# Allegro board GPS_INTERFACE_BOARD_v24_test_SFP_.brd (continued)
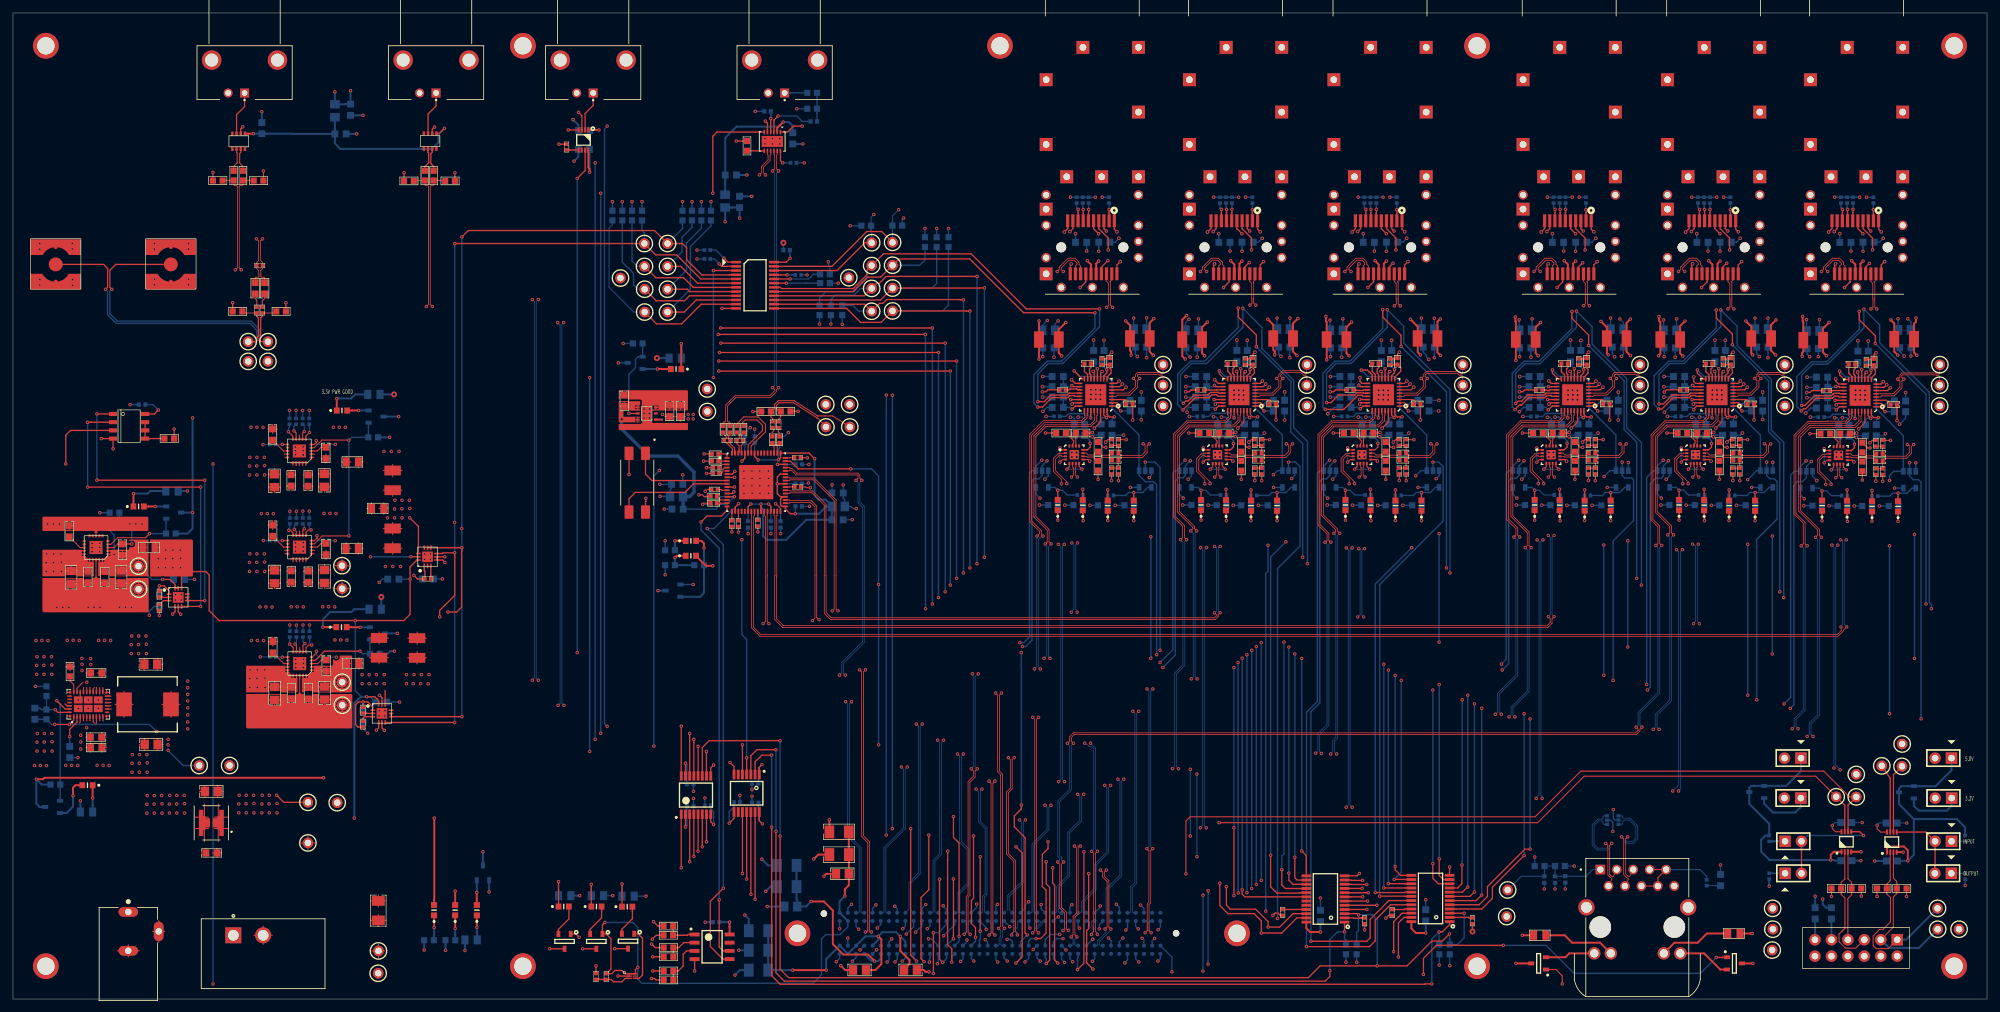
[diagram p0: board, top side]
## Routing (per net, layer and track width the routed paths; a pad name or vN(x,y) marks a point on that pad's centre or on a via; arc(x,y) is an arc through that point) (continued)
  L4 w0.165: J20.S3 248.32,119.58 ; J20.S3 246.5,119.58 ; J20.S3 247.41,120.49 ; J20.S3 247.41,118.67 ; 284.66,109.07 J18.S6 ; J18.S6 283.75,109.98 ; J18.S6 284.66,110.89 ; J18.S6 285.57,109.98 ; TP12.1 33.45,37.1 ; TP12.1 34.46,36.09 ; TP12.1 33.45,35.09 ; TP12.1 32.45,36.09 ; J19.S2 270.62,114.58 ; J19.S2 269.71,113.67 ; J19.S2 268.8,114.58 ; J19.S2 269.71,115.49 ; 254.28,142.08 J19.S17 ; J19.S17 255.46,143.26 ; J19.S17 255.46,140.9 ; J19.S17 256.64,142.08 ; J18.S5 290.37,109.98 ; J18.S5 289.46,109.07 ; J18.S5 288.55,109.98 ; J18.S5 289.46,110.89 ; 70.41,143.42 J5.S2 ; J5.S2 72.09,145.11 ; J5.S2 68.72,145.11 ; J5.S2 70.41,146.8 ; 276.63,114.58 J18.S8 ; J18.S8 278.44,114.58 ; J18.S8 277.53,113.67 ; J18.S8 277.53,115.49 ; TP13.1 51.07,30.35 ; TP13.1 50.06,31.36 ; TP13.1 50.06,29.35 ; TP13.1 49.06,30.35 ; J23.S17 159.52,143.26 ; J23.S17 159.52,140.9 ; J23.S17 160.7,142.08 ; J23.S17 158.35,142.08 ; 35.32,98.55 TP4.1 ; TP4.1 36.32,97.55 ; TP4.1 37.33,98.55 ; TP4.1 36.32,99.56 ; 158.62,119.58 J23.S9 ; J23.S9 160.43,119.58 ; J23.S9 159.52,120.49 ; J23.S9 159.52,118.67 ; J18.S12 291.78,138.26 ; J18.S12 290.6,137.08 ; J18.S12 291.78,135.9 ; J18.S12 292.96,137.08 ; TP72.1 177.57,92.67 ; TP72.1 178.57,91.67 ; TP72.1 177.57,90.67 ; TP72.1 176.57,91.67 ; J23.S15 166.38,147.08 ; J23.S15 164.02,147.08 ; J23.S15 165.2,148.26 ; J23.S15 165.2,145.9 ; J20.S6 241.19,109.98 ; J20.S6 240.28,110.89 ; J20.S6 239.38,109.98 ; J20.S6 240.28,109.07 ; J21.S1 218.2,117.94 ; J21.S1 219.06,117.08 ; J21.S1 218.2,116.22 ; J21.S1 217.34,117.08 ; 290.93,5.69 P1.2 ; P1.2 291.87,6.63 ; P1.2 290.93,7.57 ; P1.2 289.99,6.63 ; 158.35,122.08 J23.S19 ; J23.S19 159.52,123.26 ; J23.S19 159.52,120.9 ; J23.S19 160.7,122.08 ; 173.77,145.9 J23.S13 ; J23.S13 172.6,147.08 ; J23.S13 174.95,147.08 ; J23.S13 173.77,148.26 ; 233.16,118.67 J20.S9 ; J20.S9 234.07,119.58 ; J20.S9 233.16,120.49 ; J20.S9 232.25,119.58 ; J19.S16 258.64,128.26 ; J19.S16 257.46,127.08 ; J19.S16 259.81,127.08 ; J19.S16 258.64,125.9 ; 232.25,114.58 J20.S8 ; J20.S8 234.07,114.58 ; J20.S8 233.16,113.67 ; J20.S8 233.16,115.49 ; J1.2 117.49,140.03 ; J1.2 116.61,140.91 ; J1.2 115.73,140.03 ; J1.2 116.61,139.15 ; 244.18,109.98 J20.S5 ; J20.S5 245.08,109.07 ; J20.S5 245.08,110.89 ; J20.S5 245.99,109.98 ; 166.65,109.07 J23.S6 ; J23.S6 165.74,109.98 ; J23.S6 166.65,110.89 ; J23.S6 167.56,109.98 ; J23.S2 173.77,115.49 ; J23.S2 174.68,114.58 ; J23.S2 173.77,113.67 ; J23.S2 172.87,114.58 ; 231.98,142.08 J20.S17 ; J20.S17 233.16,143.26 ; J20.S17 233.16,140.9 ; J20.S17 234.34,142.08 ; J21.S4 218.2,125.19 ; J21.S4 218.2,123.37 ; J21.S4 219.11,124.28 ; J21.S4 217.29,124.28 ; 215.87,109.07 J21.S5 ; J21.S5 214.97,109.98 ; J21.S5 215.87,110.89 ; J21.S5 216.78,109.98 ; J23.S8 160.43,114.58 ; J23.S8 159.52,113.67 ; J23.S8 158.62,114.58 ; J23.S8 159.52,115.49 ; 217.02,137.08 J21.S12 ; J21.S12 218.2,138.26 ; J21.S12 219.38,137.08 ; J21.S12 218.2,135.9 ; J22.S7 183.97,110.89 ; J22.S7 183.07,109.98 ; J22.S7 183.97,109.07 ; J22.S7 184.88,109.98 ; 290.69,39.42 TP80.1 ; TP80.1 291.69,38.42 ; TP80.1 292.7,39.42 ; TP80.1 291.69,40.42 ; J21.S8 203.95,115.49 ; J21.S8 204.86,114.58 ; J21.S8 203.95,113.67 ; J21.S8 203.04,114.58 ; TP86.1 271.63,8.57 ; TP86.1 271.63,6.57 ; TP86.1 270.62,7.57 ; TP86.1 272.63,7.57 ; 255.59,17.47 J17.P10 ; J17.P10 256.51,16.55 ; J17.P10 257.44,17.47 ; J17.P10 256.51,18.4 ; J6.S1 30.68,146.8 ; J6.S1 30.68,143.42 ; J6.S1 29,145.11 ; J6.S1 32.37,145.11 ; J22.S9 182.56,119.58 ; J22.S9 181.65,118.67 ; J22.S9 180.74,119.58 ; J22.S9 181.65,120.49 ; J22.S10 181.65,125.19 ; J22.S10 181.65,123.37 ; J22.S10 180.74,124.28 ; J22.S10 182.56,124.28 ; J21.S19 203.95,123.26 ; J21.S19 205.13,122.08 ; J21.S19 202.77,122.08 ; J21.S19 203.95,120.9 ; 269.71,135.9 J19.S12 ; J19.S12 269.71,138.26 ; J19.S12 270.89,137.08 ; J19.S12 268.53,137.08 ; J21.S14 213.7,127.08 ; J21.S14 212.52,128.26 ; J21.S14 211.35,127.08 ; J21.S14 212.52,125.9 ; 237.66,147.08 J20.S15 ; J20.S15 238.83,145.9 ; J20.S15 238.83,148.26 ; J20.S15 240.01,147.08 ; TP21.1 129.06,112.48 ; TP21.1 128.05,111.48 ; TP21.1 129.06,110.48 ; TP21.1 130.06,111.48 ; 232.25,124.28 J20.S10 ; J20.S10 233.16,123.37 ; J20.S10 234.07,124.28 ; J20.S10 233.16,125.19 ; 159.52,123.37 J23.S10 ; J23.S10 159.52,125.19 ; J23.S10 158.62,124.28 ; J23.S10 160.43,124.28 ; J1.S2 125.92,145.11 ; J1.S2 122.55,145.11 ; J1.S2 124.23,143.42 ; J1.S2 124.23,146.8 ; 82.82,145.11 J4.S1 ; J4.S1 86.19,145.11 ; J4.S1 84.51,143.42 ; J4.S1 84.51,146.8 ; 208.45,147.08 J21.S15 ; J21.S15 210.8,147.08 ; J21.S15 209.62,145.9 ; J21.S15 209.62,148.26 ; 173.77,118.67 J23.S3 ; J23.S3 174.68,119.58 ; J23.S3 173.77,120.49 ; J23.S3 172.87,119.58 ; 254.28,112.08 J19.S20 ; J19.S20 255.46,110.9 ; J19.S20 255.46,113.26 ; J19.S20 256.64,112.08 ; 194.72,147.08 J22.S13 ; J22.S13 195.9,145.9 ; J22.S13 195.9,148.26 ; J22.S13 197.08,147.08 ; J22.S15 188.5,147.08 ; J22.S15 187.32,148.26 ; J22.S15 187.32,145.9 ; J22.S15 186.14,147.08 ; 173.77,125.9 J23.S11 ; J23.S11 174.95,127.08 ; J23.S11 173.77,128.26 ; J23.S11 172.6,127.08 ; 234.58,109.98 J20.S7 ; J20.S7 236.39,109.98 ; J20.S7 235.48,109.07 ; J20.S7 235.48,110.89 ; J19.S13 269.71,148.26 ; J19.S13 270.89,147.08 ; J19.S13 269.71,145.9 ; J19.S13 268.53,147.08 ; J19.S5 267.39,110.89 ; J19.S5 268.29,109.98 ; J19.S5 266.48,109.98 ; J19.S5 267.39,109.07 ; J19.S14 265.21,127.08 ; J19.S14 264.04,125.9 ; J19.S14 262.86,127.08 ; J19.S14 264.04,128.26 ; J17.S2 258.65,15.61 ; J17.S2 260.09,14.17 ; J17.S2 257.22,14.17 ; J17.S2 258.65,12.74 ; 255.46,123.37 J19.S10 ; J19.S10 255.46,125.19 ; J19.S10 254.55,124.28 ; J19.S10 256.37,124.28 ; J18.S4 291.78,125.19 ; J18.S4 291.78,123.37 ; J18.S4 290.88,124.28 ; J18.S4 292.69,124.28 ; 276.35,112.08 J18.S20 ; J18.S20 277.53,113.26 ; J18.S20 277.53,110.9 ; J18.S20 278.71,112.08 ; 231.98,132.08 J20.S18 ; J20.S18 234.34,132.08 ; J20.S18 233.16,133.26 ; J20.S18 233.16,130.9 ; 246.5,114.58 J20.S2 ; J20.S2 247.41,115.49 ; J20.S2 248.32,114.58 ; J20.S2 247.41,113.67 ; 195.9,118.67 J22.S3 ; J22.S3 195.9,120.49 ; J22.S3 196.81,119.58 ; J22.S3 194.99,119.58 ; J22.S12 195.9,138.26 ; J22.S12 197.08,137.08 ; J22.S12 194.72,137.08 ; J22.S12 195.9,135.9 ; TP18.1 50.83,64.43 ; TP18.1 50.83,62.42 ; TP18.1 51.83,63.42 ; TP18.1 49.82,63.42 ; 277.53,120.9 J18.S19 ; J18.S19 278.71,122.08 ; J18.S19 276.35,122.08 ; J18.S19 277.53,123.26 ; J17.S1 242.94,15.61 ; J17.S1 242.94,12.74 ; J17.S1 244.38,14.17 ; J17.S1 241.51,14.17 ; 236.33,125.9 J20.S16 ; J20.S16 237.51,127.08 ; J20.S16 236.33,128.26 ; J20.S16 235.16,127.08 ; 194.72,127.08 J22.S11 ; J22.S11 197.08,127.08 ; J22.S11 195.9,128.26 ; J22.S11 195.9,125.9 ; J20.S11 248.59,127.08 ; J20.S11 246.23,127.08 ; J20.S11 247.41,125.9 ; J20.S11 247.41,128.26 ; 286.11,125.9 J18.S14 ; J18.S14 287.29,127.08 ; J18.S14 286.11,128.26 ; J18.S14 284.93,127.08 ; 247.41,123.37 J20.S4 ; J20.S4 246.5,124.28 ; J20.S4 247.41,125.19 ; J20.S4 248.32,124.28 ; J22.S1 196.76,117.08 ; J22.S1 195.9,117.94 ; J22.S1 195.9,116.22 ; J22.S1 195.04,117.08 ; 112.39,145.11 J1.S1 ; J1.S1 115.76,145.11 ; J1.S1 114.07,146.8 ; J1.S1 114.07,143.42 ; 291.78,125.9 J18.S11 ; J18.S11 292.96,127.08 ; J18.S11 290.6,127.08 ; J18.S11 291.78,128.26 ; TP20.1 51.85,45.42 ; TP20.1 50.85,44.41 ; TP20.1 50.85,46.42 ; TP20.1 49.85,45.42 ; J21.S17 203.95,143.26 ; J21.S17 202.77,142.08 ; J21.S17 203.95,140.9 ; J21.S17 205.13,142.08 ; 107.19,93.28 TP89.1 ; TP89.1 106.18,94.28 ; TP89.1 107.19,95.29 ; TP89.1 108.19,94.28 ; J23.S18 160.7,132.08 ; J23.S18 158.35,132.08 ; J23.S18 159.52,130.9 ; J23.S18 159.52,133.26 ; 188.77,109.07 J22.S6 ; J22.S6 188.77,110.89 ; J22.S6 187.87,109.98 ; J22.S6 189.68,109.98 ; 124.5,91.9 TP7.1 ; TP7.1 125.5,92.9 ; TP7.1 126.5,91.9 ; TP7.1 125.5,90.89 ; 231.98,122.08 J20.S19 ; J20.S19 234.34,122.08 ; J20.S19 233.16,123.26 ; J20.S19 233.16,120.9 ; P1.6 286.79,6.63 ; P1.6 285.85,5.69 ; P1.6 284.91,6.63 ; P1.6 285.85,7.57 ; J21.S3 218.2,120.49 ; J21.S3 217.29,119.58 ; J21.S3 219.11,119.58 ; J21.S3 218.2,118.67 ; J21.S2 218.2,115.49 ; J21.S2 217.29,114.58 ; J21.S2 218.2,113.67 ; J21.S2 219.11,114.58 ; J21.S20 205.13,112.08 ; J21.S20 203.95,110.9 ; J21.S20 203.95,113.26 ; J21.S20 202.77,112.08 ; 277.53,140.9 J18.S17 ; J18.S17 277.53,143.26 ; J18.S17 278.71,142.08 ; J18.S17 276.35,142.08 ; J19.S8 255.46,115.49 ; J19.S8 256.37,114.58 ; J19.S8 255.46,113.67 ; J19.S8 254.55,114.58 ; J18.S3 292.69,119.58 ; J18.S3 291.78,118.67 ; J18.S3 290.88,119.58 ; J18.S3 291.78,120.49 ; 246.55,117.08 J20.S1 ; J20.S1 247.41,116.22 ; J20.S1 248.27,117.08 ; J20.S1 247.41,117.94 ; 129.18,90.89 TP6.1 ; TP6.1 130.19,91.9 ; TP6.1 128.18,91.9 ; TP6.1 129.18,92.9 ; J4.2 87.92,140.03 ; J4.2 87.05,139.15 ; J4.2 87.05,140.91 ; J4.2 86.17,140.03 ; J21.S11 219.38,127.08 ; J21.S11 218.2,125.9 ; J21.S11 217.02,127.08 ; J21.S11 218.2,128.26 ; 277.53,123.37 J18.S10 ; J18.S10 277.53,125.19 ; J18.S10 276.63,124.28 ; J18.S10 278.44,124.28 ; 277.29,6.63 P1.12 ; P1.12 278.23,7.57 ; P1.12 278.23,5.69 ; P1.12 279.17,6.63 ; 287.45,6.63 P1.4 ; P1.4 289.33,6.63 ; P1.4 288.39,5.69 ; P1.4 288.39,7.57 ; 39.37,97.55 TP3.1 ; TP3.1 40.37,98.55 ; TP3.1 39.37,99.56 ; TP3.1 38.37,98.55 ; P1.8 284.25,6.63 ; P1.8 282.37,6.63 ; P1.8 283.31,7.57 ; P1.8 283.31,5.69 ; 32.35,140.03 J6.2 ; J6.2 33.22,139.15 ; J6.2 33.22,140.91 ; J6.2 34.1,140.03 ; 269.71,125.9 J19.S11 ; J19.S11 269.71,128.26 ; J19.S11 268.53,127.08 ; J19.S11 270.89,127.08 ; 217.02,147.08 J21.S13 ; J21.S13 218.2,145.9 ; J21.S13 219.38,147.08 ; J21.S13 218.2,148.26 ; 246.23,137.08 J20.S12 ; J20.S12 247.41,138.26 ; J20.S12 248.59,137.08 ; J20.S12 247.41,135.9 ; 300.48,9.79 TP81.1 ; TP81.1 301.49,10.79 ; TP81.1 300.48,11.8 ; TP81.1 299.48,10.79 ; J19.S6 263.49,109.98 ; J19.S6 262.59,110.89 ; J19.S6 261.68,109.98 ; J19.S6 262.59,109.07 ; J21.S6 211.07,110.89 ; J21.S6 210.17,109.98 ; J21.S6 211.98,109.98 ; J21.S6 211.07,109.07 ; J19.S19 256.64,122.08 ; J19.S19 255.46,123.26 ; J19.S19 254.28,122.08 ; J19.S19 255.46,120.9 ; J20.S13 248.59,147.08 ; J20.S13 246.23,147.08 ; J20.S13 247.41,145.9 ; J20.S13 247.41,148.26 ; 240.56,127.08 J20.S14 ; J20.S14 241.73,125.9 ; J20.S14 242.91,127.08 ; J20.S14 241.73,128.26 ; TP28.1 231.64,12.75 ; TP28.1 229.63,12.75 ; TP28.1 230.63,13.75 ; TP28.1 230.63,11.75 ; J22.S8 181.65,115.49 ; J22.S8 182.56,114.58 ; J22.S8 181.65,113.67 ; J22.S8 180.74,114.58 ; J23.S5 171.45,110.89 ; J23.S5 171.45,109.07 ; J23.S5 172.36,109.98 ; J23.S5 170.54,109.98 ; J19.S3 269.71,120.49 ; J19.S3 268.8,119.58 ; J19.S3 269.71,118.67 ; J19.S3 270.62,119.58 ; 273.58,90.67 TP64.1 ; TP64.1 272.58,91.67 ; TP64.1 274.59,91.67 ; TP64.1 273.58,92.67 ; 160.94,109.98 J23.S7 ; J23.S7 161.85,110.89 ; J23.S7 162.76,109.98 ; J23.S7 161.85,109.07 ; 181.65,130.9 J22.S18 ; J22.S18 181.65,133.26 ; J22.S18 182.83,132.08 ; J22.S18 180.47,132.08 ; 39.16,145.11 J6.S2 ; J6.S2 40.84,146.8 ; J6.S2 42.53,145.11 ; J6.S2 40.84,143.42 ; J19.S15 262.31,147.08 ; J19.S15 261.14,145.9 ; J19.S15 259.96,147.08 ; J19.S15 261.14,148.26 ; 256.88,109.98 J19.S7 ; J19.S7 258.69,109.98 ; J19.S7 257.79,109.07 ; J19.S7 257.79,110.89 ; J22.S2 195.9,115.49 ; J22.S2 195.9,113.67 ; J22.S2 196.81,114.58 ; J22.S2 194.99,114.58 ; J22.S19 182.83,122.08 ; J22.S19 181.65,123.26 ; J22.S19 181.65,120.9 ; J22.S19 180.47,122.08 ; J22.S17 182.83,142.08 ; J22.S17 181.65,143.26 ; J22.S17 180.47,142.08 ; J22.S17 181.65,140.9 ; 161.52,127.08 J23.S16 ; J23.S16 162.7,125.9 ; J23.S16 163.88,127.08 ; J23.S16 162.7,128.26 ; J19.S18 256.64,132.08 ; J19.S18 255.46,130.9 ; J19.S18 255.46,133.26 ; J19.S18 254.28,132.08 ; TP66.1 252.21,91.67 ; TP66.1 250.2,91.67 ; TP66.1 251.21,90.67 ; TP66.1 251.21,92.67 ; TP62.1 298.49,91.67 ; TP62.1 296.48,91.67 ; TP62.1 297.48,90.67 ; TP62.1 297.48,92.67 ; 195.9,123.37 J22.S4 ; J22.S4 196.81,124.28 ; J22.S4 194.99,124.28 ; J22.S4 195.9,125.19 ; J20.S20 233.16,113.26 ; J20.S20 234.34,112.08 ; J20.S20 231.98,112.08 ; J20.S20 233.16,110.9 ; J18.S7 279.86,110.89 ; J18.S7 278.95,109.98 ; J18.S7 279.86,109.07 ; J18.S7 280.76,109.98 ; 56.39,2.98 TP75.1 ; TP75.1 56.39,4.99 ; TP75.1 57.39,3.99 ; TP75.1 55.38,3.99 ; J23.S14 168.1,128.26 ; J23.S14 169.28,127.08 ; J23.S14 166.92,127.08 ; J23.S14 168.1,125.9 ; J5.2 63.67,140.03 ; J5.2 61.91,140.03 ; J5.2 62.79,140.91 ; J5.2 62.79,139.15 ; 276.35,132.08 J18.S18 ; J18.S18 277.53,133.26 ; J18.S18 277.53,130.9 ; J18.S18 278.71,132.08 ; 172.6,137.08 J23.S12 ; J23.S12 173.77,135.9 ; J23.S12 173.77,138.26 ; J23.S12 174.95,137.08 ; 19.41,62.34 TP16.1 ; TP16.1 18.4,63.35 ; TP16.1 19.41,64.35 ; TP16.1 20.41,63.35 ; 203.04,119.58 J21.S9 ; J21.S9 203.95,120.49 ; J21.S9 204.86,119.58 ; J21.S9 203.95,118.67 ; 284.61,33.72 TP87.1 ; TP87.1 285.61,34.72 ; TP87.1 283.6,34.72 ; TP87.1 284.61,35.73 ; J18.S1 292.64,117.08 ; J18.S1 291.78,116.22 ; J18.S1 290.93,117.08 ; J18.S1 291.78,117.94 ; 268.85,117.08 J19.S1 ; J19.S1 270.57,117.08 ; J19.S1 269.71,117.94 ; J19.S1 269.71,116.22 ; 199.8,90.67 TP70.1 ; TP70.1 199.8,92.67 ; TP70.1 198.79,91.67 ; TP70.1 200.8,91.67 ; 181.65,110.9 J22.S20 ; J22.S20 181.65,113.26 ; J22.S20 182.83,112.08 ; J22.S20 180.47,112.08 ; J22.S14 190.22,128.26 ; J22.S14 191.4,127.08 ; J22.S14 189.04,127.08 ; J22.S14 190.22,125.9 ; 203.95,123.37 J21.S10 ; J21.S10 203.95,125.19 ; J21.S10 204.86,124.28 ; J21.S10 203.04,124.28 ; J22.S5 193.57,110.89 ; J22.S5 193.57,109.07 ; J22.S5 194.48,109.98 ; J22.S5 192.67,109.98 ; J21.S16 208.3,127.08 ; J21.S16 207.12,125.9 ; J21.S16 205.95,127.08 ; J21.S16 207.12,128.26 ; 269.71,123.37 J19.S4 ; J19.S4 270.62,124.28 ; J19.S4 268.8,124.28 ; J19.S4 269.71,125.19 ; J4.S2 96.35,145.11 ; J4.S2 92.98,145.11 ; J4.S2 94.67,143.42 ; J4.S2 94.67,146.8 ; J21.S18 205.13,132.08 ; J21.S18 202.77,132.08 ; J21.S18 203.95,130.9 ; J21.S18 203.95,133.26 ; J23.S4 174.68,124.28 ; J23.S4 172.87,124.28 ; J23.S4 173.77,125.19 ; J23.S4 173.77,123.37 ; 290.88,114.58 J18.S2 ; J18.S2 291.78,113.67 ; J18.S2 291.78,115.49 ; J18.S2 292.69,114.58 ; 172.92,117.08 J23.S1 ; J23.S1 174.63,117.08 ; J23.S1 173.77,116.22 ; J23.S1 173.77,117.94 ; 279.53,127.08 J18.S16 ; J18.S16 280.71,128.26 ; J18.S16 281.89,127.08 ; J18.S16 280.71,125.9 ; 205.37,109.98 J21.S7 ; J21.S7 206.27,110.89 ; J21.S7 206.27,109.07 ; J21.S7 207.18,109.98 ; J22.S16 186,127.08 ; J22.S16 184.82,125.9 ; J22.S16 183.64,127.08 ; J22.S16 184.82,128.26 ; 277.53,118.67 J18.S9 ; J18.S9 278.44,119.58 ; J18.S9 276.63,119.58 ; J18.S9 277.53,120.49 ; 280.77,5.69 P1.10 ; P1.10 280.77,7.57 ; P1.10 281.71,6.63 ; P1.10 279.83,6.63 ; 60.25,143.42 J5.S1 ; J5.S1 58.56,145.11 ; J5.S1 61.93,145.11 ; J5.S1 60.25,146.8 ; J18.S13 292.96,147.08 ; J18.S13 291.78,148.26 ; J18.S13 290.6,147.08 ; J18.S13 291.78,145.9 ; 255.46,118.67 J19.S9 ; J19.S9 256.37,119.58 ; J19.S9 254.55,119.58 ; J19.S9 255.46,120.49 ; TP23.1 94.81,111.43 ; TP23.1 92.8,111.43 ; TP23.1 93.8,110.43 ; TP23.1 93.8,112.43 ; 282.03,147.08 J18.S15 ; J18.S15 283.21,145.9 ; J18.S15 283.21,148.26 ; J18.S15 284.39,147.08 ; 222.85,91.67 TP68.1 ; TP68.1 224.85,91.67 ; TP68.1 223.85,92.67 ; TP68.1 223.85,90.67 ; J23.S20 159.52,113.26 ; J23.S20 160.7,112.08 ; J23.S20 158.35,112.08 ; J23.S20 159.52,110.9
  L4 w0.17: 286.83,116.18 288.39,114.62 288.39,112.8 294.59,106.6 294.59,72.97
  L7 w0.165: J21.S10 203.95,125.19 ; J21.S10 204.86,124.28 ; J21.S10 203.95,123.37 ; J21.S10 203.04,124.28 ; 231.98,112.08 J20.S20 ; J20.S20 233.16,113.26 ; J20.S20 234.34,112.08 ; J20.S20 233.16,110.9 ; J20.S1 248.27,117.08 ; J20.S1 246.55,117.08 ; J20.S1 247.41,117.94 ; J20.S1 247.41,116.22 ; 262.59,109.07 J19.S6 ; J19.S6 261.68,109.98 ; J19.S6 263.49,109.98 ; J19.S6 262.59,110.89 ; 272.58,91.67 TP64.1 ; TP64.1 274.59,91.67 ; TP64.1 273.58,92.67 ; TP64.1 273.58,90.67 ; J20.S12 247.41,138.26 ; J20.S12 246.23,137.08 ; J20.S12 247.41,135.9 ; J20.S12 248.59,137.08 ; J19.S8 256.37,114.58 ; J19.S8 255.46,113.67 ; J19.S8 255.46,115.49 ; J19.S8 254.55,114.58 ; J18.S13 292.96,147.08 ; J18.S13 291.78,148.26 ; J18.S13 290.6,147.08 ; J18.S13 291.78,145.9 ; 291.78,125.9 J18.S11 ; J18.S11 292.96,127.08 ; J18.S11 290.6,127.08 ; J18.S11 291.78,128.26 ; J21.S5 216.78,109.98 ; J21.S5 215.87,109.07 ; J21.S5 214.97,109.98 ; J21.S5 215.87,110.89 ; TP13.1 50.06,31.36 ; TP13.1 49.06,30.35 ; TP13.1 50.06,29.35 ; TP13.1 51.07,30.35 ; 207.12,125.9 J21.S16 ; J21.S16 205.95,127.08 ; J21.S16 207.12,128.26 ; J21.S16 208.3,127.08 ; 254.28,142.08 J19.S17 ; J19.S17 256.64,142.08 ; J19.S17 255.46,143.26 ; J19.S17 255.46,140.9 ; 183.07,109.98 J22.S7 ; J22.S7 183.97,109.07 ; J22.S7 184.88,109.98 ; J22.S7 183.97,110.89 ; J19.S16 258.64,128.26 ; J19.S16 259.81,127.08 ; J19.S16 258.64,125.9 ; J19.S16 257.46,127.08 ; 158.62,114.58 J23.S8 ; J23.S8 159.52,113.67 ; J23.S8 160.43,114.58 ; J23.S8 159.52,115.49 ; J23.S10 160.43,124.28 ; J23.S10 159.52,123.37 ; J23.S10 158.62,124.28 ; J23.S10 159.52,125.19 ; J23.S9 160.43,119.58 ; J23.S9 159.52,120.49 ; J23.S9 158.62,119.58 ; J23.S9 159.52,118.67 ; J20.S18 233.16,133.26 ; J20.S18 231.98,132.08 ; J20.S18 234.34,132.08 ; J20.S18 233.16,130.9 ; 180.47,142.08 J22.S17 ; J22.S17 181.65,140.9 ; J22.S17 182.83,142.08 ; J22.S17 181.65,143.26 ; J22.S15 188.5,147.08 ; J22.S15 187.32,148.26 ; J22.S15 187.32,145.9 ; J22.S15 186.14,147.08 ; 258.65,12.74 J17.S2 ; J17.S2 257.22,14.17 ; J17.S2 260.09,14.17 ; J17.S2 258.65,15.61 ; J22.S18 182.83,132.08 ; J22.S18 181.65,133.26 ; J22.S18 181.65,130.9 ; J22.S18 180.47,132.08 ; J5.S1 60.25,146.8 ; J5.S1 61.93,145.11 ; J5.S1 58.56,145.11 ; J5.S1 60.25,143.42 ; J23.S20 159.52,113.26 ; J23.S20 159.52,110.9 ; J23.S20 158.35,112.08 ; J23.S20 160.7,112.08 ; J6.2 33.22,140.91 ; J6.2 32.35,140.03 ; J6.2 33.22,139.15 ; J6.2 34.1,140.03 ; 297.48,90.67 TP62.1 ; TP62.1 297.48,92.67 ; TP62.1 298.49,91.67 ; TP62.1 296.48,91.67 ; J6.S1 32.37,145.11 ; J6.S1 29,145.11 ; J6.S1 30.68,143.42 ; J6.S1 30.68,146.8 ; 124.5,91.9 TP7.1 ; TP7.1 125.5,92.9 ; TP7.1 126.5,91.9 ; TP7.1 125.5,90.89 ; 173.77,113.67 J23.S2 ; J23.S2 173.77,115.49 ; J23.S2 172.87,114.58 ; J23.S2 174.68,114.58 ; J19.S2 270.62,114.58 ; J19.S2 269.71,113.67 ; J19.S2 269.71,115.49 ; J19.S2 268.8,114.58 ; J23.S7 162.76,109.98 ; J23.S7 161.85,109.07 ; J23.S7 161.85,110.89 ; J23.S7 160.94,109.98 ; J22.S10 182.56,124.28 ; J22.S10 181.65,123.37 ; J22.S10 180.74,124.28 ; J22.S10 181.65,125.19 ; 277.53,123.37 J18.S10 ; J18.S10 278.44,124.28 ; J18.S10 277.53,125.19 ; J18.S10 276.63,124.28 ; 203.95,140.9 J21.S17 ; J21.S17 202.77,142.08 ; J21.S17 205.13,142.08 ; J21.S17 203.95,143.26 ; J21.S9 203.95,120.49 ; J21.S9 204.86,119.58 ; J21.S9 203.95,118.67 ; J21.S9 203.04,119.58 ; 276.35,132.08 J18.S18 ; J18.S18 277.53,130.9 ; J18.S18 278.71,132.08 ; J18.S18 277.53,133.26 ; 70.41,143.42 J5.S2 ; J5.S2 72.09,145.11 ; J5.S2 68.72,145.11 ; J5.S2 70.41,146.8 ; J18.S7 280.76,109.98 ; J18.S7 279.86,110.89 ; J18.S7 279.86,109.07 ; J18.S7 278.95,109.98 ; J18.S8 278.44,114.58 ; J18.S8 277.53,113.67 ; J18.S8 277.53,115.49 ; J18.S8 276.63,114.58 ; 300.48,9.79 TP81.1 ; TP81.1 300.48,11.8 ; TP81.1 300.67,10.79 ; TP81.1 299.48,10.79 ; J22.S20 182.83,112.08 ; J22.S20 180.47,112.08 ; J22.S20 181.65,110.9 ; J22.S20 181.65,113.26 ; J19.S13 269.71,148.26 ; J19.S13 268.53,147.08 ; J19.S13 269.71,145.9 ; J19.S13 270.89,147.08 ; 285.85,5.69 P1.6 ; P1.6 286.79,6.63 ; P1.6 284.91,6.63 ; P1.6 285.85,7.57 ; J21.S20 203.95,113.26 ; J21.S20 205.13,112.08 ; J21.S20 202.77,112.08 ; J21.S20 203.95,110.9 ; TP89.1 107.19,95.29 ; TP89.1 107.19,93.28 ; TP89.1 108.19,94.28 ; TP89.1 106.18,94.28 ; 257.79,109.07 J19.S7 ; J19.S7 258.69,109.98 ; J19.S7 257.79,110.89 ; J19.S7 256.88,109.98 ; 277.53,120.9 J18.S19 ; J18.S19 277.53,123.26 ; J18.S19 276.35,122.08 ; J18.S19 278.71,122.08 ; 114.07,143.42 J1.S1 ; J1.S1 112.39,145.11 ; J1.S1 114.07,146.8 ; J1.S1 115.76,145.11 ; 291.78,135.9 J18.S12 ; J18.S12 290.6,137.08 ; J18.S12 291.78,138.26 ; J18.S12 292.96,137.08 ; 218.2,123.37 J21.S4 ; J21.S4 219.11,124.28 ; J21.S4 217.29,124.28 ; J21.S4 218.2,125.19 ; 217.34,117.08 J21.S1 ; J21.S1 218.2,116.22 ; J21.S1 218.2,117.94 ; J21.S1 219.06,117.08 ; J23.S3 173.77,120.49 ; J23.S3 174.68,119.58 ; J23.S3 173.77,118.67 ; J23.S3 172.87,119.58 ; J23.S1 173.77,117.94 ; J23.S1 173.77,116.22 ; J23.S1 174.63,117.08 ; J23.S1 172.92,117.08 ; P1.8 283.31,7.57 ; P1.8 282.37,6.63 ; P1.8 283.31,5.69 ; P1.8 284.25,6.63 ; 198.79,91.67 TP70.1 ; TP70.1 199.8,92.67 ; TP70.1 199.8,90.67 ; TP70.1 200.8,91.67 ; J22.S4 195.9,125.19 ; J22.S4 195.9,123.37 ; J22.S4 196.81,124.28 ; J22.S4 194.99,124.28 ; 290.69,39.42 TP80.1 ; TP80.1 292.7,39.42 ; TP80.1 291.69,38.42 ; TP80.1 291.69,40.42 ; J18.S15 284.39,147.08 ; J18.S15 282.03,147.08 ; J18.S15 283.21,148.26 ; J18.S15 283.21,145.9 ; J19.S15 262.31,147.08 ; J19.S15 261.14,145.9 ; J19.S15 261.14,148.26 ; J19.S15 259.96,147.08 ; J18.S6 284.66,110.89 ; J18.S6 283.75,109.98 ; J18.S6 284.66,109.07 ; J18.S6 285.57,109.98 ; J18.S4 292.69,124.28 ; J18.S4 290.88,124.28 ; J18.S4 291.78,123.37 ; J18.S4 291.78,125.19 ; J22.S13 195.9,148.26 ; J22.S13 197.08,147.08 ; J22.S13 195.9,145.9 ; J22.S13 194.72,147.08 ; J21.S8 204.86,114.58 ; J21.S8 203.95,113.67 ; J21.S8 203.04,114.58 ; J21.S8 203.95,115.49 ; TP18.1 51.83,63.42 ; TP18.1 50.83,62.42 ; TP18.1 49.82,63.42 ; TP18.1 50.83,64.43 ; 217.29,119.58 J21.S3 ; J21.S3 218.2,118.67 ; J21.S3 219.11,119.58 ; J21.S3 218.2,120.49 ; J23.S12 174.95,137.08 ; J23.S12 173.77,135.9 ; J23.S12 173.77,138.26 ; J23.S12 172.6,137.08 ; 128.18,91.9 TP6.1 ; TP6.1 129.18,90.89 ; TP6.1 130.19,91.9 ; TP6.1 129.18,92.9 ; J21.S7 206.27,110.89 ; J21.S7 206.27,109.07 ; J21.S7 205.37,109.98 ; J21.S7 207.18,109.98 ; 84.51,143.42 J4.S1 ; J4.S1 82.82,145.11 ; J4.S1 86.19,145.11 ; J4.S1 84.51,146.8 ; J22.S8 181.65,115.49 ; J22.S8 180.74,114.58 ; J22.S8 182.56,114.58 ; J22.S8 181.65,113.67 ; 38.37,98.55 TP3.1 ; TP3.1 39.37,97.55 ; TP3.1 40.37,98.55 ; TP3.1 39.37,99.56 ; 217.02,127.08 J21.S11 ; J21.S11 219.38,127.08 ; J21.S11 218.2,125.9 ; J21.S11 218.2,128.26 ; 181.65,120.9 J22.S19 ; J22.S19 181.65,123.26 ; J22.S19 180.47,122.08 ; J22.S19 182.83,122.08 ; J21.S14 212.52,128.26 ; J21.S14 212.52,125.9 ; J21.S14 211.35,127.08 ; J21.S14 213.7,127.08 ; 177.57,90.67 TP72.1 ; TP72.1 177.57,92.67 ; TP72.1 178.57,91.67 ; TP72.1 176.57,91.67 ; 256.51,16.55 J17.P10 ; J17.P10 256.51,18.4 ; J17.P10 257.44,17.47 ; J17.P10 255.59,17.47 ; 276.63,119.58 J18.S9 ; J18.S9 278.44,119.58 ; J18.S9 277.53,120.49 ; J18.S9 277.53,118.67 ; J20.S5 245.08,110.89 ; J20.S5 245.08,109.07 ; J20.S5 244.18,109.98 ; J20.S5 245.99,109.98 ; J18.S14 286.11,128.26 ; J18.S14 286.11,125.9 ; J18.S14 284.93,127.08 ; J18.S14 287.29,127.08 ; 233.16,113.67 J20.S8 ; J20.S8 232.25,114.58 ; J20.S8 233.16,115.49 ; J20.S8 234.07,114.58 ; 230.63,11.75 TP28.1 ; TP28.1 229.63,12.75 ; TP28.1 230.63,13.75 ; TP28.1 231.64,12.75 ; J20.S14 241.73,128.26 ; J20.S14 240.56,127.08 ; J20.S14 242.91,127.08 ; J20.S14 241.73,125.9 ; 217.02,137.08 J21.S12 ; J21.S12 218.2,135.9 ; J21.S12 219.38,137.08 ; J21.S12 218.2,138.26 ; 270.62,7.57 TP86.1 ; TP86.1 272.63,7.57 ; TP86.1 271.63,6.57 ; TP86.1 271.63,8.57 ; J23.S5 171.45,110.89 ; J23.S5 170.54,109.98 ; J23.S5 171.45,109.07 ; J23.S5 172.36,109.98 ; TP21.1 130.06,111.48 ; TP21.1 129.06,112.48 ; TP21.1 128.05,111.48 ; TP21.1 129.06,110.48 ; J23.S13 174.95,147.08 ; J23.S13 173.77,145.9 ; J23.S13 172.6,147.08 ; J23.S13 173.77,148.26 ; 233.16,123.37 J20.S10 ; J20.S10 233.16,125.19 ; J20.S10 232.25,124.28 ; J20.S10 234.07,124.28 ; TP4.1 36.32,99.56 ; TP4.1 36.32,97.55 ; TP4.1 37.33,98.55 ; TP4.1 35.32,98.55 ; J22.S11 197.08,127.08 ; J22.S11 195.9,128.26 ; J22.S11 195.9,125.9 ; J22.S11 194.72,127.08 ; J21.S18 205.13,132.08 ; J21.S18 203.95,130.9 ; J21.S18 203.95,133.26 ; J21.S18 202.77,132.08 ; 290.88,114.58 J18.S2 ; J18.S2 291.78,113.67 ; J18.S2 291.78,115.49 ; J18.S2 292.69,114.58 ; 247.41,118.67 J20.S3 ; J20.S3 247.41,120.49 ; J20.S3 246.5,119.58 ; J20.S3 248.32,119.58 ; J18.S3 291.78,120.49 ; J18.S3 290.88,119.58 ; J18.S3 291.78,118.67 ; J18.S3 292.69,119.58 ; J20.S15 240.01,147.08 ; J20.S15 238.83,145.9 ; J20.S15 237.66,147.08 ; J20.S15 238.83,148.26 ; 291.78,116.22 J18.S1 ; J18.S1 292.64,117.08 ; J18.S1 291.78,117.94 ; J18.S1 290.93,117.08 ; J22.S3 196.81,119.58 ; J22.S3 194.99,119.58 ; J22.S3 195.9,120.49 ; J22.S3 195.9,118.67 ; J22.S5 193.57,110.89 ; J22.S5 192.67,109.98 ; J22.S5 193.57,109.07 ; J22.S5 194.48,109.98 ; J4.2 87.92,140.03 ; J4.2 86.17,140.03 ; J4.2 87.05,140.91 ; J4.2 87.05,139.15 ; 172.87,124.28 J23.S4 ; J23.S4 173.77,125.19 ; J23.S4 174.68,124.28 ; J23.S4 173.77,123.37 ; 255.46,120.9 J19.S19 ; J19.S19 254.28,122.08 ; J19.S19 255.46,123.26 ; J19.S19 256.64,122.08 ; J19.S20 255.46,113.26 ; J19.S20 256.64,112.08 ; J19.S20 254.28,112.08 ; J19.S20 255.46,110.9 ; J5.2 63.67,140.03 ; J5.2 61.91,140.03 ; J5.2 62.79,139.15 ; J5.2 62.79,140.91 ; J20.S6 241.19,109.98 ; J20.S6 240.28,109.07 ; J20.S6 240.28,110.89 ; J20.S6 239.38,109.98 ; 246.5,124.28 J20.S4 ; J20.S4 248.32,124.28 ; J20.S4 247.41,125.19 ; J20.S4 247.41,123.37 ; J1.S2 125.92,145.11 ; J1.S2 122.55,145.11 ; J1.S2 124.23,146.8 ; J1.S2 124.23,143.42 ; 280.77,5.69 P1.10 ; P1.10 281.71,6.63 ; P1.10 279.83,6.63 ; P1.10 280.77,7.57 ; J22.S2 195.9,115.49 ; J22.S2 195.9,113.67 ; J22.S2 194.99,114.58 ; J22.S2 196.81,114.58 ; 165.74,109.98 J23.S6 ; J23.S6 166.65,109.07 ; J23.S6 167.56,109.98 ; J23.S6 166.65,110.89 ; J22.S6 189.68,109.98 ; J22.S6 188.77,110.89 ; J22.S6 187.87,109.98 ; J22.S6 188.77,109.07 ; J21.S15 210.8,147.08 ; J21.S15 209.62,148.26 ; J21.S15 208.45,147.08 ; J21.S15 209.62,145.9 ; 161.52,127.08 J23.S16 ; J23.S16 162.7,125.9 ; J23.S16 163.88,127.08 ; J23.S16 162.7,128.26 ; 283.6,34.72 TP87.1 ; TP87.1 284.61,35.73 ; TP87.1 284.61,33.72 ; TP87.1 285.61,34.72 ; 184.82,125.9 J22.S16 ; J22.S16 186,127.08 ; J22.S16 184.82,128.26 ; J22.S16 183.64,127.08 ; 159.52,130.9 J23.S18 ; J23.S18 159.52,133.26 ; J23.S18 158.35,132.08 ; J23.S18 160.7,132.08 ; 246.23,147.08 J20.S13 ; J20.S13 247.41,148.26 ; J20.S13 247.41,145.9 ; J20.S13 248.59,147.08 ; 255.46,130.9 J19.S18 ; J19.S18 255.46,133.26 ; J19.S18 256.64,132.08 ; J19.S18 254.28,132.08 ; J20.S2 247.41,115.49 ; J20.S2 247.41,113.67 ; J20.S2 248.32,114.58 ; J20.S2 246.5,114.58 ; 269.71,135.9 J19.S12 ; J19.S12 268.53,137.08 ; J19.S12 270.89,137.08 ; J19.S12 269.71,138.26 ; J17.S1 244.38,14.17 ; J17.S1 242.94,15.61 ; J17.S1 241.51,14.17 ; J17.S1 242.94,12.74 ; J22.S9 182.56,119.58 ; J22.S9 181.65,118.67 ; J22.S9 181.65,120.49 ; J22.S9 180.74,119.58 ; 211.07,109.07 J21.S6 ; J21.S6 210.17,109.98 ; J21.S6 211.98,109.98 ; J21.S6 211.07,110.89 ; J23.S19 159.52,123.26 ; J23.S19 160.7,122.08 ; J23.S19 159.52,120.9 ; J23.S19 158.35,122.08 ; 233.16,140.9 J20.S17 ; J20.S17 233.16,143.26 ; J20.S17 231.98,142.08 ; J20.S17 234.34,142.08 ; J21.S13 219.38,147.08 ; J21.S13 217.02,147.08 ; J21.S13 218.2,148.26 ; J21.S13 218.2,145.9 ; 115.73,140.03 J1.2 ; J1.2 116.61,139.15 ; J1.2 117.49,140.03 ; J1.2 116.61,140.91 ; J20.S16 236.33,128.26 ; J20.S16 237.51,127.08 ; J20.S16 236.33,125.9 ; J20.S16 235.16,127.08 ; 164.02,147.08 J23.S15 ; J23.S15 165.2,145.9 ; J23.S15 165.2,148.26 ; J23.S15 166.38,147.08 ; P1.2 291.87,6.63 ; P1.2 290.93,7.57 ; P1.2 290.93,5.69 ; P1.2 289.99,6.63 ; 222.85,91.67 TP68.1 ; TP68.1 224.85,91.67 ; TP68.1 223.85,92.67 ; TP68.1 223.85,90.67 ; J6.S2 42.53,145.11 ; J6.S2 40.84,146.8 ; J6.S2 40.84,143.42 ; J6.S2 39.16,145.11 ; 235.48,109.07 J20.S7 ; J20.S7 234.58,109.98 ; J20.S7 236.39,109.98 ; J20.S7 235.48,110.89 ; 288.55,109.98 J18.S5 ; J18.S5 289.46,110.89 ; J18.S5 289.46,109.07 ; J18.S5 290.37,109.98 ; 264.04,125.9 J19.S14 ; J19.S14 265.21,127.08 ; J19.S14 264.04,128.26 ; J19.S14 262.86,127.08 ; 267.39,109.07 J19.S5 ; J19.S5 268.29,109.98 ; J19.S5 267.39,110.89 ; J19.S5 266.48,109.98 ; 278.23,5.69 P1.12 ; P1.12 277.29,6.63 ; P1.12 278.23,7.57 ; P1.12 279.17,6.63 ; 269.71,125.9 J19.S11 ; J19.S11 269.71,128.26 ; J19.S11 270.89,127.08 ; J19.S11 268.53,127.08 ; 277.53,140.9 J18.S17 ; J18.S17 278.71,142.08 ; J18.S17 276.35,142.08 ; J18.S17 277.53,143.26 ; 268.85,117.08 J19.S1 ; J19.S1 269.71,116.22 ; J19.S1 269.71,117.94 ; J19.S1 270.57,117.08 ; J20.S9 234.07,119.58 ; J20.S9 233.16,120.49 ; J20.S9 232.25,119.58 ; J20.S9 233.16,118.67 ; 92.8,111.43 TP23.1 ; TP23.1 93.8,110.43 ; TP23.1 93.8,112.43 ; TP23.1 94.81,111.43 ; J18.S20 278.71,112.08 ; J18.S20 277.53,113.26 ; J18.S20 277.53,110.9 ; J18.S20 276.35,112.08 ; 173.77,125.9 J23.S11 ; J23.S11 172.6,127.08 ; J23.S11 173.77,128.26 ; J23.S11 174.95,127.08 ; 194.72,137.08 J22.S12 ; J22.S12 195.9,135.9 ; J22.S12 195.9,138.26 ; J22.S12 197.08,137.08 ; 166.92,127.08 J23.S14 ; J23.S14 168.1,125.9 ; J23.S14 168.1,128.26 ; J23.S14 169.28,127.08 ; 218.2,113.67 J21.S2 ; J21.S2 218.2,115.49 ; J21.S2 219.11,114.58 ; J21.S2 217.29,114.58 ; 33.45,35.09 TP12.1 ; TP12.1 34.46,36.09 ; TP12.1 33.45,37.1 ; TP12.1 32.45,36.09 ; 203.95,120.9 J21.S19 ; J21.S19 203.95,123.26 ; J21.S19 205.13,122.08 ; J21.S19 202.77,122.08 ; 159.52,140.9 J23.S17 ; J23.S17 159.52,143.26 ; J23.S17 158.35,142.08 ; J23.S17 160.7,142.08 ; J20.S19 234.34,122.08 ; J20.S19 233.16,123.26 ; J20.S19 233.16,120.9 ; J20.S19 231.98,122.08 ; J19.S4 269.71,125.19 ; J19.S4 270.62,124.28 ; J19.S4 268.8,124.28 ; J19.S4 269.71,123.37 ; J20.S11 248.59,127.08 ; J20.S11 247.41,125.9 ; J20.S11 246.23,127.08 ; J20.S11 247.41,128.26 ; TP66.1 252.21,91.67 ; TP66.1 251.21,92.67 ; TP66.1 251.21,90.67 ; TP66.1 250.2,91.67 ; J19.S10 256.37,124.28 ; J19.S10 254.55,124.28 ; J19.S10 255.46,125.19 ; J19.S10 255.46,123.37 ; J22.S1 195.9,117.94 ; J22.S1 195.9,116.22 ; J22.S1 195.04,117.08 ; J22.S1 196.76,117.08 ; J18.S16 280.71,128.26 ; J18.S16 279.53,127.08 ; J18.S16 280.71,125.9 ; J18.S16 281.89,127.08 ; P1.4 289.33,6.63 ; P1.4 287.45,6.63 ; P1.4 288.39,7.57 ; P1.4 288.39,5.69 ; 268.8,119.58 J19.S3 ; J19.S3 269.71,118.67 ; J19.S3 269.71,120.49 ; J19.S3 270.62,119.58 ; J4.S2 96.35,145.11 ; J4.S2 92.98,145.11 ; J4.S2 94.67,146.8 ; J4.S2 94.67,143.42 ; 56.39,2.98 TP75.1 ; TP75.1 57.39,3.99 ; TP75.1 56.39,4.99 ; TP75.1 55.38,3.99 ; J22.S14 191.4,127.08 ; J22.S14 190.22,125.9 ; J22.S14 190.22,128.26 ; J22.S14 189.04,127.08 ; TP20.1 51.85,45.42 ; TP20.1 50.85,46.42 ; TP20.1 49.85,45.42 ; TP20.1 50.85,44.41 ; J19.S9 256.37,119.58 ; J19.S9 255.46,120.49 ; J19.S9 255.46,118.67 ; J19.S9 254.55,119.58 ; TP16.1 20.41,63.35 ; TP16.1 18.4,63.35 ; TP16.1 19.41,64.35 ; TP16.1 19.41,62.34